# Allegro board BeagleBone_AI-64_Rev_B1_PCB_220602.brd (continued)
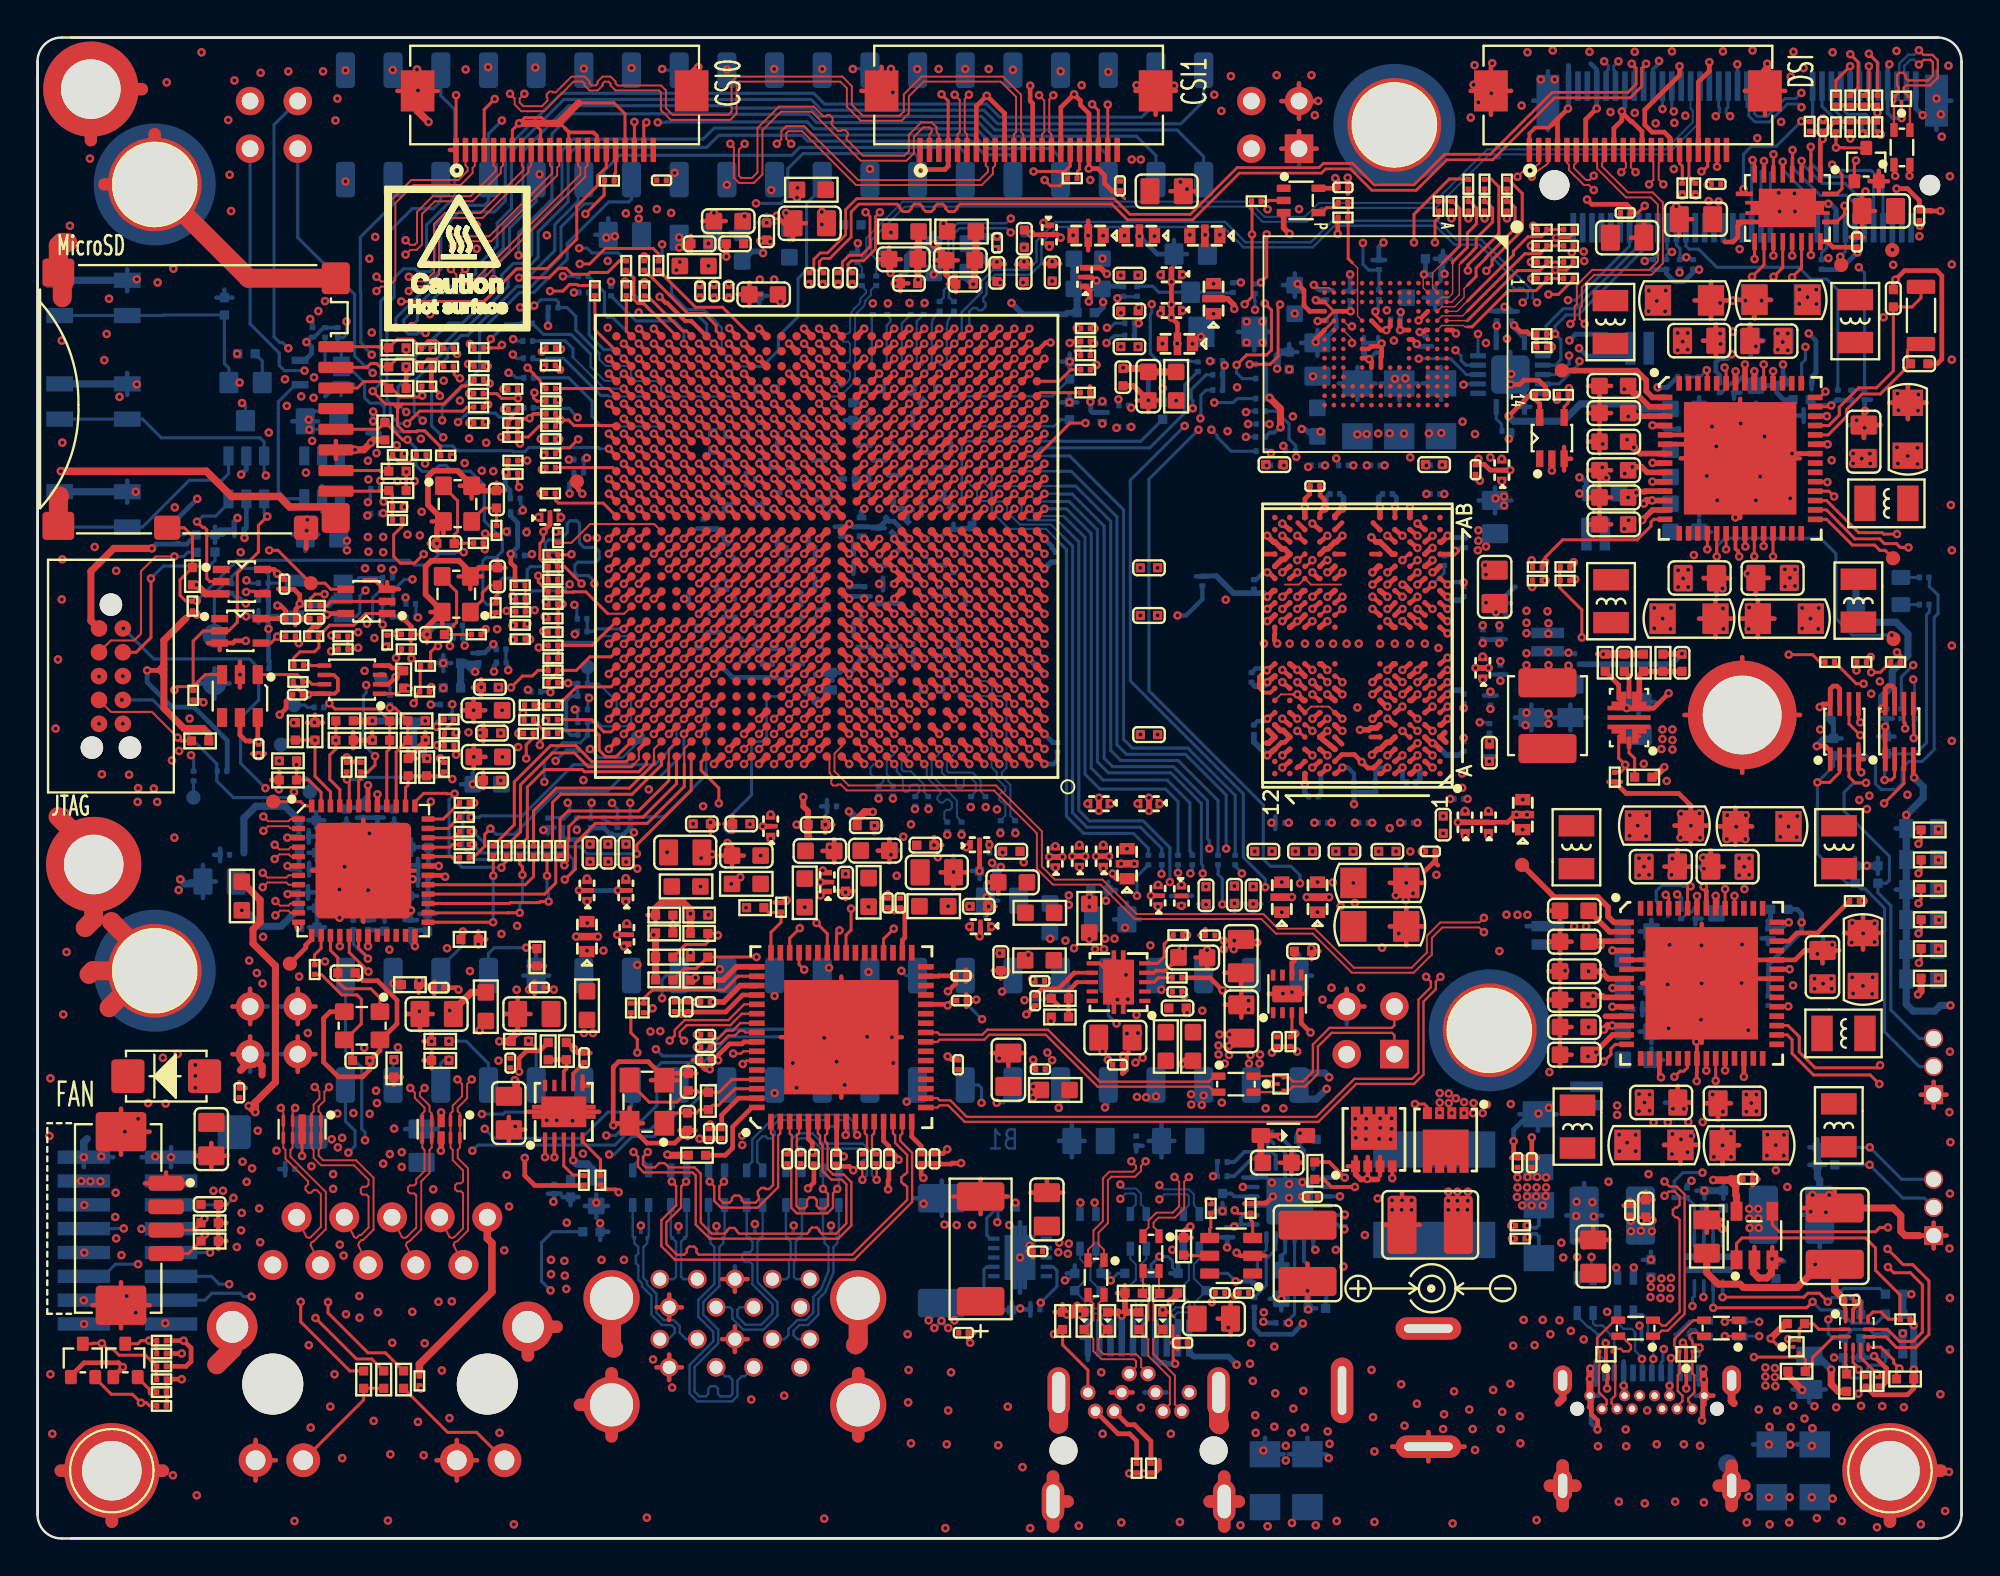
[diagram p0: board, top side]
## Routing (per net, layer and track width the routed paths; a pad name or vN(x,y) marks a point on that pad's centre or on a via; arc(x,y) is an arc through that point) (continued)
U29_EHRPWM1_B: length 4
  TOP w0.165: U19.U29 30.13,55.19 27.75,55.19 27.6,55.33 27.6,55.7 R250.1
  TOP w0.229: U19.U29 30.84,54.49
U29_FB_B4: length 2.4
  TOP w0.254: U29.50 v1(88.4,34.24)
  BOTTOM w0.165: R23.2 87.55,33.02 87.57,33 ; 87.57,33 87.95,33.39 88.11,33.39 88.3,33.58 88.32,33.58 R18.1 ; 87.57,33 87.55,33
  BOTTOM w0.254: v1(88.4,34.24) 88.4,33.66 88.32,33.58
U30_FB_B3: length 3.3
  TOP w0.305: v1(90.96,62.58) 90.96,61.58 U30.49
  BOTTOM w0.203: R15.2 89.71,61.08 90.21,61.58 R13.1 90.49,61.58 90.52,61.6
  BOTTOM w0.254: v1(90.96,62.58) 90.96,62.05 90.52,61.6
UART0_RXD: length 40.7
  TOP w0.165: v1(98.4,40.43) 98.77,40.43 98.93,40.59 U31.2
  L3-SIGNAL w0.102: v1(98.4,40.43) 98.4,39.87 97.94,39.41 97.94,33.23 98.35,32.82 98.35,27.4 97.03,26.08 97.03,20.49 v1(97.6,19.92)
  BOTTOM w0.165: J3.2 100.51,18.14 99.37,18.14 v1(97.6,19.92) D4.2 ; R397.2 100.79,49.78 100.79,49.39 100.63,49.24 100.63,42.41 100.04,41.82 R353.1 98.5,40.96 98.42,40.88 98.42,40.87 98.4,40.85 v1(98.4,40.43)
UART0_TXD: length 27.9
  TOP w0.165: U31.3 99.43,40.24 v1(98.37,39.18)
  L3-SIGNAL w0.102: v1(98.37,39.18) 98.37,38.78 98.63,38.52 98.63,27.35 97.31,26.03 97.31,21.15 v1(97.61,20.85)
  BOTTOM w0.165: J3.3 99.31,19.14 v1(97.61,20.85) D3.2
USB0_DATA_N: length 89
  TOP w0.16: v1(50.44,64.49) 50.44,64.48 U19.AJ5
  L12-SIGNAL w0.122: v1(84.1,14.44) 84.43,14.76 84.43,14.94 84.29,15.08 83.88,15.08 82.89,14.09 79.43,14.09 77.75,15.78 77.75,19.48 76.51,20.72 73.59,20.72 72.64,21.67 72.64,24.21 73.25,24.82 73.25,30.7 76.35,33.8 76.35,36.78 76.6,37.03 76.6,42.64 76.07,43.16 76.07,43.77 76.43,44.13 76.43,44.88 75.89,45.42 75.89,48.71 76.4,49.22 76.4,51.35 75.93,51.82 75.93,53.18 75.81,53.31 75.71,53.31 75.59,53.43 75.59,53.67 75.71,53.8 75.81,53.8 75.93,53.92 75.93,54.16 75.81,54.28 75.71,54.28 75.59,54.41 75.59,54.65 75.71,54.77 75.81,54.77 75.93,54.9 75.93,55.29 75.12,56.1 73.52,56.1 71.71,57.9 69.86,57.9 69.37,58.4 69.37,59.06 67.01,61.41 65.96,61.41 65.3,62.07 65.3,62.56 64.86,63.01 63.1,63.01 62.69,63.43 62.69,64.19 62.44,64.43 60.87,64.43 60.5,64.06 58.03,64.06 56.94,65.15 55.01,65.15 54.89,65.03 54.89,64.88 54.77,64.76 54.52,64.76 54.4,64.88 54.4,65.03 54.28,65.15 53.84,65.15 53.61,64.91 53.35,64.91 53.12,65.15 52.86,65.15 52.63,64.91 52.37,64.91 52.14,65.15 51.89,65.15 51.65,64.91 51.4,64.91 51.16,65.15 50.72,65.15 arc(50.63,65.13) 50.55,65.08 50.47,65 arc(50.45,64.96) 50.44,64.91 v1(50.44,64.49)
  BOTTOM w0.13: v1(84.1,14.44) 84.17,14.37 L1.1
USB0_DATA_P: length 89
  TOP w0.16: U19.AH6 49.64,63.68 v1(49.64,63.69)
  L12-SIGNAL w0.122: v1(85.04,14.44) 84.71,14.77 84.71,14.77 84.71,15.05 84.4,15.36 83.77,15.36 82.78,14.37 79.55,14.37 78.03,15.89 78.03,19.6 76.63,21 73.71,21 72.92,21.78 72.92,24.1 73.53,24.71 73.53,30.58 76.63,33.68 76.63,36.67 76.88,36.92 76.88,42.76 76.35,43.28 76.35,43.65 76.71,44.01 76.71,45 76.17,45.53 76.17,48.59 76.68,49.1 76.68,51.47 76.21,51.94 76.21,55.4 75.23,56.38 73.63,56.38 71.83,58.18 69.97,58.18 69.64,58.51 69.64,59.17 67.13,61.69 66.08,61.69 65.58,62.18 65.58,62.68 64.97,63.29 63.22,63.29 62.96,63.54 62.96,64.3 62.56,64.71 60.75,64.71 60.39,64.34 58.14,64.34 57.06,65.43 50.72,65.43 arc(50.52,65.39) 50.36,65.28 50.28,65.2 arc(50.26,65.18) 50.24,65.16 50.24,65.16 50.13,65.05 arc(50.04,64.92) 50.01,64.76 50.01,64.2 arc(49.98,64.07) 49.91,63.96 v1(49.64,63.69)
  BOTTOM w0.13: v1(85.04,14.44) 85.02,14.42 L1.4
USB0_ID: length 124.8
  TOP w0.165: U34.4 92.42,16.72 92.79,16.35 97.91,16.35 98.14,16.58 v1(98.58,16.58)
  TOP w0.229: v1(49.64,59.69) 49.64,59.68 U19.AC6
  L10-SIGNAL w0.102: v1(98.58,16.58) 98.58,18.86 99.21,19.5 99.21,27.47 99.76,28.02 99.76,37.37 100.99,38.6 100.99,42.31 99.44,43.86 99.44,47.02 99.48,47.06 99.48,47.48 99.21,47.74 98.37,47.74 97.33,48.78 97.33,54.98 98.52,56.18 98.52,61.64 98.94,62.06 98.94,65.34 98.12,66.16 98.12,67.63 97.61,68.14 96.82,68.14 96.05,68.91 91.6,68.91 90.8,68.11 90.02,68.11 88.73,66.82 87.17,66.82 86.94,67.05 84.63,67.05 82.93,65.35 80.73,65.35 79.4,64.02 78.74,64.02 78.1,64.66 78.1,65.12 76.81,66.41 69.57,66.41 68.58,67.4 63.12,67.4 62.66,67.86 59.69,67.86 58.27,69.28 58.27,69.59 57.97,69.89 55.89,69.89 55.6,69.6 55.6,69.16 54.89,68.44 53.91,68.44 53.59,68.13 53.59,66.04 52.43,64.88 51.88,64.88 51.65,64.65 51.65,64.28 51.46,64.09 51.4,64.09 51.09,64.09 50.83,63.84 50.83,63.49 50.64,63.29 50.29,63.29 50.05,63.05 50.05,60.09 v1(49.64,59.69)
USB0_RCALIB: length 6.2
  TOP w0.229: v1(49.64,58.89) 49.24,58.49 U19.AB6
  BOTTOM w0.137: 54.4,59.53 54.15,59.28 54.15,59.28 50.04,59.28 v1(49.64,58.89)
  BOTTOM w0.165: 54.4,59.53 54.5,59.63 R81.1
USB0_VBUS_SOC: length 15.7
  TOP w0.229: U19.AC7 48.44,59.29 v1(48.84,59.69)
  L5-SIGNAL w0.102: v1(48.84,59.69) 49.25,60.1 49.25,63.87 49.5,64.13 49.79,64.13 50,64.34 50,64.62 50.49,65.12 53.87,65.12 55.22,66.46 57.17,66.46 v1(57.53,66.11)
  BOTTOM w0.165: 57.86,66.19 57.61,66.19 v1(57.53,66.11) ; 57.86,66.19 57.85,66.2 R79.1 ; 57.86,66.19 58.58,66.19 R74.1
USB1_DN1_D_N: length 9.3
  TOP w0.13: U20.2 39.57,21.6 39.45,21.48 39.45,18.72 38.36,17.63 36.41,17.63 36.05,17.99 36.05,18.77 v1(35.81,19.02)
  BOTTOM w0.13: L9.1 35.75,19.08 v1(35.81,19.02)
USB1_DN1_D_P: length 9.2
  TOP w0.13: U20.1 39.07,21.6 39.19,21.48 39.19,18.84 38.98,18.63 38.79,18.63 38.74,18.68 38.55,18.68 38.37,18.5 38.37,18.32 38.43,18.26 38.43,18.08 38.25,17.9 37.64,17.9 37.51,18.03 37.51,18.15 37.38,18.28 37.12,18.28 36.99,18.15 36.99,18.03 36.86,17.9 36.52,17.9 36.32,18.1 36.32,18.77 v1(36.57,19.02)
  BOTTOM w0.13: v1(36.57,19.02) 36.6,19.05 L9.4
USB1_DN2_D_N: length 9.4
  TOP w0.13: v1(43.66,21.51) 43.57,21.6 U20.10
  BOTTOM w0.13: v1(43.66,21.51) 43.47,21.7 43.47,22.2 43.1,22.57 39.37,22.57 38.07,21.27 38.07,20.08 37.78,19.79 L8.1
USB1_DN2_D_P: length 9.4
  TOP w0.13: v1(43.05,21.51) 43.05,21.66 43.07,21.68 U20.9
  BOTTOM w0.13: v1(43.05,21.51) 43.2,21.66 43.2,22.09 42.99,22.31 42.73,22.31 42.6,22.18 42.6,22.09 42.47,21.96 42.21,21.96 42.08,22.09 42.08,22.18 41.95,22.31 39.48,22.31 39.16,21.98 39.16,21.8 39.27,21.69 39.27,21.5 39.08,21.32 38.9,21.32 38.79,21.43 38.61,21.43 38.34,21.16 38.34,20.07 38.63,19.78 L8.4
USB1_DN3_D_N: length 100.5
  TOP w0.13: v1(73.98,29.94) 74.22,29.69 74.22,29.38 73.57,28.73 73.57,24.84 73.23,24.5 70.15,24.5 68.12,22.47 49.5,22.47 48.62,23.35 48.06,23.35 47.94,23.47 U20.18 ; v1(99.72,72.63) 99.75,72.65 L26.4
  L3-SIGNAL w0.122: v1(73.98,29.94) 74.22,30.18 74.22,30.54 74.6,30.93 84.88,30.93 86.33,32.38 91.21,32.38 96.19,37.35 96.19,53.08 98.17,55.06 98.17,63.75 99.52,65.09 99.52,69.17 97.79,70.89 97.79,73.5 98.27,73.98 98.98,73.98 99.48,73.48 99.48,72.87 v1(99.72,72.63)
USB1_DN3_D_P: length 100.4
  TOP w0.13: v1(98.96,72.63) 98.9,72.7 L26.1 ; v1(74.74,29.94) 74.49,29.69 74.49,29.27 73.84,28.62 73.84,24.73 73.34,24.24 70.26,24.24 68.23,22.21 49.39,22.21 48.51,23.09 48.06,23.09 47.94,22.97 U20.17
  L3-SIGNAL w0.122: v1(98.96,72.63) 99.2,72.87 99.2,73.37 98.87,73.7 98.39,73.7 98.07,73.38 98.07,72.23 98.19,72.11 98.25,72.11 98.37,71.99 98.37,71.74 98.25,71.62 98.19,71.62 98.07,71.5 98.07,71.01 99.79,69.28 99.79,64.98 98.45,63.63 98.45,54.95 96.47,52.96 96.47,37.24 91.33,32.1 86.45,32.1 85,30.65 74.72,30.65 74.5,30.43 74.5,30.14 74.7,29.94 v1(74.74,29.94)
USB1_DN4_D_N: length 17
  TOP w0.13: U20.25 47.94,26.97 48.06,26.85 50.33,26.85 50.59,27.12 53.82,27.12 56.59,24.35 62.41,24.35 62.7,24.64 L14.1
USB1_DN4_D_P: length 17
  TOP w0.13: L14.4 62.71,23.79 62.42,24.08 56.48,24.08 53.71,26.85 50.71,26.85 50.44,26.59 48.06,26.59 47.94,26.47 U20.24
USB1_DRVVBUS: length 49.7
  TOP w0.165: R296.1 v1(37.74,33.62)
  TOP w0.229: v1(49.64,54.88) 49.64,54.88 U19.U6
  L5-SIGNAL w0.102: v1(47.96,36.31) 48.25,36.6 48.25,37.11 48.03,37.33 48.03,37.66 48.33,37.96 48.33,39.34 46.8,40.87 46.8,51.75 47.09,52.04 48.92,52.04 49.28,52.4 49.28,54.52 v1(49.64,54.88)
  L10-SIGNAL w0.102: v1(37.74,33.62) 40.32,33.62 40.72,34.02 41.02,34.02 41.42,33.62 41.73,33.62 42.21,33.14 43.51,33.14 43.79,33.42 43.79,34.08 46.02,36.31 v1(47.96,36.31)
  BOTTOM w0.137: 54.16,58.48 49.47,58.48 49.24,58.25 49.24,55.28 v1(49.64,54.88)
  BOTTOM w0.165: 59.96,59.65 R71.2 58.78,58.48 54.16,58.48
USB1_HUB_AUTOEN#: length 8.8
  TOP w0.165: U20.45 40.57,30.59 v1(40.84,30.32) ; v1(38.3,30.99) R293.1 35.08,30.37 34.45,30.37 R287.2
  L5-SIGNAL w0.102: v1(40.84,30.32) 40.17,30.99 v1(38.3,30.99)
USB1_HUB_D_N: length 164.7
  TOP w0.13: U20.54 37.52,27.97 36.91,27.36 34.58,27.36 34.21,26.99 34.21,26.76 v1(34.44,26.53)
  TOP w0.16: U19.AH7 48.84,63.68 v1(48.84,63.69)
  L3-SIGNAL w0.122: v1(88.71,22.2) 88.71,22.23 88.47,22.47 88.47,23.33 87.63,24.17 86.36,24.17 86.1,24.43 80.41,24.43 78.15,22.17 74.6,22.17 74.09,22.67 74.09,23.79 73.48,24.4 71.52,24.4 71.12,24.81 71.12,26.74 70.64,27.22 68.88,27.22 68.36,27.74 62.82,27.74 61.52,26.43 57.64,26.43 55.81,28.27 53.69,28.27 52.94,27.51 52.35,27.51 49.87,29.99 47.17,29.99 46.86,29.68 40.89,29.68 38.2,26.99 38.2,25.19 37.59,24.58 35.13,24.58 34.2,25.51 34.2,26.29 v1(34.44,26.53)
  L12-SIGNAL w0.122: v1(88.71,22.2) 88.47,22.44 88.47,23.66 87.93,24.2 87.93,31.92 84.16,35.69 84.16,44.86 85.44,46.14 85.44,52.34 86.92,53.81 86.92,59.71 85.75,60.88 85.75,61.89 85.34,62.3 81.28,62.3 79.64,63.94 79.64,65.64 v1(79.88,65.88)
  BOTTOM w0.13: v1(48.84,63.69) 49.23,64.08 49.23,65.37 50.29,66.42 50.29,67.02 50.9,67.62 52.77,67.62 53.22,68.07 53.22,69.15 54.24,70.17 63.27,70.17 64.35,69.09 67.83,69.09 68.98,70.24 74.59,70.24 75.59,69.23 76.91,69.23 79.65,66.49 79.65,66.11 v1(79.88,65.88)
USB1_HUB_D_P: length 164.7
  TOP w0.13: v1(33.68,26.53) 33.94,26.8 33.95,27.1 34.47,27.63 36.8,27.63 37.64,28.47 U20.53
  TOP w0.16: v1(49.64,64.49) 49.64,64.48 U19.AJ6
  L3-SIGNAL w0.122: v1(87.95,22.2) 87.95,22.23 88.19,22.47 88.19,23.22 87.51,23.89 86.24,23.89 85.99,24.15 80.53,24.15 78.27,21.89 74.48,21.89 73.81,22.56 73.81,23.68 73.36,24.12 71.41,24.12 70.84,24.69 70.84,26.62 70.52,26.94 68.77,26.94 68.25,27.46 62.94,27.46 61.63,26.15 57.53,26.15 55.69,27.99 53.81,27.99 53.05,27.24 52.23,27.24 49.76,29.71 47.28,29.71 46.98,29.4 41.01,29.4 38.48,26.88 38.48,25.07 37.71,24.3 35.01,24.3 33.92,25.39 33.92,26.29 v1(33.68,26.53)
  L12-SIGNAL w0.122: v1(87.95,22.2) 88.19,22.44 88.19,23.55 87.65,24.08 87.65,31.8 83.88,35.57 83.88,44.98 85.16,46.26 85.16,52.46 86.64,53.93 86.64,58.26 86.51,58.39 86.4,58.39 86.28,58.51 86.28,58.75 86.4,58.88 86.51,58.88 86.64,59 86.64,59.59 85.47,60.76 85.47,61.78 85.23,62.02 81.16,62.02 79.36,63.82 79.36,65.64 v1(79.12,65.88)
  BOTTOM w0.13: v1(79.12,65.88) 79.39,66.15 79.39,66.38 79.12,66.65 78.93,66.65 78.88,66.6 78.7,66.6 78.52,66.79 78.52,66.97 78.57,67.02 78.57,67.2 76.8,68.97 75.48,68.97 74.47,69.97 69.09,69.97 67.94,68.82 64.24,68.82 63.16,69.91 54.35,69.91 53.48,69.04 53.48,67.96 52.88,67.36 51.01,67.36 50.56,66.91 50.56,66.31 50.38,66.14 50.38,65.96 50.5,65.84 50.5,65.66 50.32,65.47 50.13,65.47 50.02,65.59 49.83,65.59 49.64,65.39 v1(49.64,64.49)
USB1_HUB_FULLPWRMGMT#: length 10.9
  TOP w0.165: v1(43.34,33.57) 43.34,32.43 43.07,32.16 U20.40
  L10-SIGNAL w0.102: v1(43.34,33.57) 42.94,33.57 42.6,33.91 41.55,33.91 41.06,34.41 37.74,34.41 36.57,33.24 v1(35.74,33.24)
USB1_HUB_GANGED: length 10.9
  TOP w0.165: v1(41.5,32.81) 42.07,32.24 U20.42 ; R310.2 34.52,31.66 35.57,31.66 35.71,31.79 R292.1 36.14,32.25 v1(36.24,32.15)
  L10-SIGNAL w0.102: v1(41.5,32.81) 41.1,33.21 37.31,33.21 v1(36.24,32.15)
USB1_HUB_PWRCTR_POL: length 12.5
  TOP w0.165: R286.2 v1(33.85,32.71) R285.1 ; U20.41 42.57,32.26 v1(42.72,32.41)
  L10-SIGNAL w0.102: v1(33.85,32.71) 33.85,32.18 34.26,31.77 36.85,31.77 38.07,32.99 40.68,32.99 41.25,32.41 v1(42.72,32.41)
USB1_HUB_R1: length 4.4
  TOP w0.254: U20.64 38.05,22.97 37.03,21.95 37.03,20.82 36.64,20.43 R290.2
USB1_HUB_TEST: length 2.9
  TOP w0.305: U20.49 37.23,30.47 36.52,29.76 R294.1
USB1_HUB_VBUS: length 3.4
  TOP w0.165: 39.61,33.37 38.95,33.37 R296.2 ; 39.61,33.37 R297.2 ; 39.61,33.37 39.61,32.85 39.07,32.31 U20.48
USB1_HUB_XI: length 5.7
  TOP w0.165: U20.62 37.15,23.97 36.27,23.09 35.97,23.09 R295.1 35.26,22.86 35.08,22.68 C350.2 33.93,22.68 X4.1
USB1_HUB_XO: length 7.9
  TOP w0.165: U20.61 37,24.47 36.31,23.78 R295.2 35.21,23.78 35.13,23.86 C351.2 34.06,23.26 32.58,23.26 31.54,24.3 X4.3
USB1_ID: length 7.3
  TOP w0.165: v1(48.84,60.49) 48.44,60.09 U19.AD7
  TOP w0.229: 48.84,60.48 v1(48.84,60.49)
  BOTTOM w0.137: v1(48.84,60.49) 49.06,60.49 49.46,60.88 54.07,60.88 R80.1
USB1_RCALIB: length 0.6
  TOP w0.229: v1(47.24,60.49) 46.84,60.09 U19.AD9
USB1_SSRX_DN1_N: length 23.4
  TOP w0.13: v1(31.75,20.6) 31.99,20.36 31.99,19.82 32.3,19.51 34.89,19.51 35.06,19.34 35.06,16.73 35.81,15.98 42.65,15.98 43.36,16.68 43.36,18.99 42.95,19.4 42.39,19.4 42.09,19.7 42.09,21.05 41.95,21.18 41.95,21.48 42.07,21.6 U20.7
  BOTTOM w0.13: L11.1 31.71,19.86 32,20.15 32,20.35 v1(31.75,20.6)
USB1_SSRX_DN1_P: length 23.3
  TOP w0.13: U20.6 41.57,21.6 41.69,21.48 41.69,21.07 41.82,20.93 41.82,19.59 42.28,19.13 42.84,19.13 43.09,18.88 43.09,16.79 42.54,16.25 41.77,16.25 41.64,16.38 41.64,16.45 41.51,16.58 41.25,16.58 41.13,16.45 41.13,16.38 41,16.25 37.38,16.25 37.25,16.38 37.25,16.42 37.12,16.55 36.86,16.55 36.73,16.42 36.73,16.38 36.6,16.25 35.92,16.25 35.33,16.84 35.33,19.45 35,19.78 33.63,19.78 33.41,20.01 33.12,20.01 32.89,19.78 32.41,19.78 32.26,19.93 32.26,20.34 v1(32.51,20.6)
  BOTTOM w0.13: L11.4 32.56,19.86 32.26,20.15 32.26,20.35 v1(32.51,20.6)
USB1_SSRX_DN2_N: length 24
  TOP w0.13: U20.15 46.07,21.6 45.95,21.48 45.95,21.19 46.59,20.55 46.59,17.94 43.52,14.86 33.95,14.86 33.23,15.58 33.23,16.97 34.02,17.75 34.02,18.79 v1(33.79,19.02)
  BOTTOM w0.13: L10.1 33.73,19.08 v1(33.79,19.02)
USB1_SSRX_DN2_P: length 24
  TOP w0.13: v1(34.55,19.02) 34.29,18.76 34.29,17.64 33.5,16.86 33.5,15.69 34.06,15.13 34.46,15.13 34.59,15.26 34.59,15.43 34.72,15.56 34.97,15.56 35.1,15.43 35.1,15.26 35.23,15.13 43.41,15.13 46.33,18.05 46.33,18.74 46.2,18.87 46.15,18.87 46.02,18.99 46.02,19.25 46.15,19.38 46.2,19.38 46.33,19.51 46.33,20.44 45.69,21.08 45.69,21.48 45.57,21.6 U20.14
  BOTTOM w0.13: L10.4 34.58,19.05 v1(34.55,19.02)
USB1_SSTX_DN1_N: length 7
  TOP w0.13: C534.2 40.65,19.96 40.43,19.73 40.43,17.73 40.56,17.59 40.86,17.59 40.99,17.72 40.99,18.05 41.12,18.18 41.38,18.18 41.51,18.05 41.51,17.72 41.64,17.59 41.96,17.59 42.11,17.75 42.11,18.37 v1(41.84,18.63)
  BOTTOM w0.13: v1(41.84,18.63) L6.1
USB1_SSTX_DN1_P: length 7
  TOP w0.13: C533.2 39.94,19.96 40.16,19.74 40.16,17.62 40.45,17.33 42.07,17.33 42.38,17.64 42.38,18.41 v1(42.6,18.63)
  BOTTOM w0.13: v1(42.6,18.63) 42.69,18.72 L6.4
USB1_SSTX_DN2_N: length 9
  TOP w0.13: C536.2 44.66,19.96 44.7,19.92 v1(44.7,19.12)
  BOTTOM w0.13: L7.1 39.87,19.8 40.16,20.09 40.16,21.25 40.5,21.59 41.29,21.59 41.83,21.05 43.96,21.05 44.45,20.56 44.45,19.37 v1(44.7,19.12)
USB1_SSTX_DN2_P: length 9
  TOP w0.13: C535.2 43.95,19.96 43.94,19.94 v1(43.94,19.12)
  BOTTOM w0.13: v1(43.94,19.12) 44.18,19.36 44.18,19.67 44.05,19.8 43.99,19.8 43.89,19.9 43.89,20.09 43.99,20.18 44.12,20.18 44.18,20.25 44.18,20.45 44.18,20.45 43.85,20.78 41.72,20.78 41.18,21.33 40.61,21.33 40.43,21.14 40.43,20.94 40.52,20.84 40.67,20.84 40.79,20.73 40.79,20.53 40.7,20.44 40.51,20.44 40.43,20.36 40.43,20.14 40.72,19.85 L7.4
USB1_VBUS_SOC: length 16.3
  TOP w0.229: v1(48.04,60.49) 48.04,60.48 U19.AD8
  L12-SIGNAL w0.102: v1(48.04,60.49) 48.44,60.89 49.8,60.89 50.05,61.14 50.05,61.45 50.28,61.68 53.3,61.68 54.35,60.62 54.35,60.37 54.63,60.09 57.73,60.09 57.96,59.86 59.41,59.86 59.94,60.39 v1(59.94,61.31)
  BOTTOM w0.165: R70.1 59.94,61.64
  BOTTOM w0.254: 59.94,61.64 v1(59.94,61.31)
  BOTTOM w0.305: R71.1 v1(59.94,61.31)
USBA_SS_RX_N: length 166.1
  TOP w0.13: v1(35.13,26.19) 35.3,26.19
  TOP w0.188: v1(44.84,63.69) 44.44,63.29 U19.AH12
  L3-SIGNAL w0.122: v1(35.13,26.19) 35.34,26.41 36.18,26.41 40.6,30.83 45.12,30.83 45.68,31.39 50.12,31.39 51.09,30.42 53.02,30.42 54.29,29.15 58.25,29.15 58.86,29.76 72.61,29.76 74.48,31.64 77.51,31.64 77.56,31.69 82.43,31.69 82.74,31.99 83.3,31.99 84.73,33.42 91.04,33.42 95.63,38.02 95.63,52.87 94.38,54.12 94.38,61.81 97.74,65.17 97.74,68.98 97,69.71 97,71.34 95.82,72.52 91.7,72.52 90.12,74.11 77.9,74.11 75.11,71.31 67.84,71.31 67.41,71.75 63.17,71.75 61.87,73.04 57.78,73.04 57.15,73.67 49.51,73.67 46.07,70.24 46.07,66.86 45.63,65.48 45.6,65.16 45.36,64.93 45.36,64.92 45.27,64.67 45.27,64.26 arc(45.24,64.13) 45.17,64.01 v1(44.84,63.69)
USBA_SS_RX_P: length 166.1
  TOP w0.13: v1(35.13,26.85) 35.3,26.85
  TOP w0.188: v1(45.64,64.49) 45.64,64.48 U19.AJ11
  L3-SIGNAL w0.122: v1(45.64,64.49) 45.64,64.76 arc(45.65,64.8) 45.67,64.84 45.87,65.04 45.9,65.43 46.35,66.81 46.35,67.33 46.48,67.46 46.56,67.46 46.68,67.58 46.68,67.82 46.56,67.95 46.48,67.95 46.35,68.07 46.35,68.31 46.48,68.44 46.56,68.44 46.68,68.56 46.68,68.8 46.56,68.93 46.48,68.93 46.35,69.05 46.35,70.12 49.63,73.4 57.03,73.4 57.67,72.76 61.76,72.76 63.05,71.47 67.29,71.47 67.73,71.04 75.22,71.04 78.02,73.83 78.62,73.83 78.75,73.71 78.75,73.65 78.87,73.52 79.11,73.52 79.24,73.65 79.24,73.71 79.36,73.83 79.6,73.83 79.72,73.71 79.72,73.65 79.85,73.52 80.09,73.52 80.21,73.65 80.21,73.71 80.34,73.83 90,73.83 91.59,72.24 95.7,72.24 96.72,71.22 96.72,69.6 97.46,68.86 97.46,66.72 97.34,66.6 97.22,66.6 97.1,66.48 97.1,66.23 97.22,66.11 97.34,66.11 97.46,65.99 97.46,65.28 94.1,61.93 94.1,54 95.35,52.76 95.35,38.13 95.17,37.95 95,37.95 94.97,37.97 94.8,37.97 94.63,37.8 94.63,37.63 94.65,37.6 94.65,37.43 90.92,33.7 84.61,33.7 83.18,32.27 82.62,32.27 82.32,31.97 77.44,31.97 77.39,31.92 74.37,31.92 72.49,30.04 58.75,30.04 58.14,29.43 57.35,29.43 57.17,29.61 56.86,29.61 56.68,29.43 56.37,29.43 56.19,29.61 55.88,29.61 55.7,29.43 54.4,29.43 53.13,30.7 51.2,30.7 50.24,31.67 45.57,31.67 45.01,31.11 40.49,31.11 36.07,26.69 35.29,26.69 v1(35.13,26.85)
USBA_SS_TX_N: length 144.5
  TOP w0.13: v1(37.56,25.29) 37.74,25.47 U20.59
  L5-SIGNAL w0.122: v1(86.85,22.18) 86.61,21.94 86.61,21.14 85.2,19.73 81.62,19.73 80.86,20.49 69.94,20.49 65.82,24.6 52.79,24.6 51.24,26.15 46.14,26.15 45.86,25.87 37.87,25.87 37.56,25.56 v1(37.56,25.29)
  L12-SIGNAL w0.122: v1(44.5,65.83) 44.66,65.99 arc(44.72,66.09) 44.74,66.2 44.74,66.29 arc(44.73,66.39) 44.73,66.48 44.73,67.29 arc(44.91,68.21) 45.43,68.98 48.19,71.75 59.79,71.75 61.34,70.2 67.51,70.2 69.31,68.39 74.93,68.39 75.69,67.63 75.69,66.51 76.25,65.96 76.25,63.72 76.68,63.29 78.69,63.29 80.52,61.46 80.52,60.52 80.95,60.09 82.41,60.09 83.03,59.47 83.03,58.84 82.8,58.61 82.8,53.94 84.2,52.54 84.2,46.5 83.13,45.43 83.13,34.21 85.77,31.56 85.77,24.75 86.61,23.91 86.61,22.42 v1(86.85,22.18)
USBA_SS_TX_P: length 144.5
  TOP w0.13: U20.58 37.59,25.97 37.47,25.85 v1(37.06,25.85)
  L5-SIGNAL w0.122: v1(37.06,25.85) 37.39,25.83 37.75,26.15 45.74,26.15 46.02,26.43 51.36,26.43 52.91,24.88 65.94,24.88 70.05,20.77 80.97,20.77 81.74,20.01 83.11,20.01 83.23,20.13 83.23,20.16 83.35,20.29 83.6,20.29 83.72,20.16 83.72,20.13 83.84,20.01 85.09,20.01 86.33,21.25 86.33,21.94 v1(86.09,22.18)
  L12-SIGNAL w0.122: v1(86.09,22.18) 86.33,22.42 86.33,23.79 85.49,24.63 85.49,31.45 82.85,34.09 82.85,45.55 83.92,46.62 83.92,52.43 82.52,53.83 82.52,58.73 82.75,58.96 82.75,59.36 82.3,59.81 80.83,59.81 80.24,60.4 80.24,61.34 78.57,63.01 76.56,63.01 75.97,63.6 75.97,65.84 75.41,66.4 75.41,67.52 74.81,68.11 69.2,68.11 67.4,69.92 61.22,69.92 59.67,71.47 50.47,71.47 50.24,71.24 49.98,71.24 49.75,71.47 49.49,71.47 49.26,71.24 49,71.24 48.77,71.47 48.31,71.47 45.63,68.79 arc(45.17,68.1) 45.01,67.29 45.01,66.48 arc(45.07,66.16) 45.26,65.88 v1(45.3,65.83)
USBC_CC1: length 12.8
  TOP w0.165: v1(93.27,10.63) 93.35,10.55 D47.3 93.85,11.16 R25.1 94.6,11.45 94.89,11.15 U21.1
  L3-SIGNAL w0.102: v1(93.27,10.63) 92.71,10.08 89.05,10.08 88.24,10.89 87.42,10.89 v1(86.64,10.1)
  BOTTOM w0.165: 86.5,8.77 J5.A5 86.5,9.38 86.59,9.47 86.59,10 86.64,10.05 v1(86.64,10.1)
USBC_CC2: length 17.8
  TOP w0.165: v1(91.44,9.67) 93.67,9.67 93.85,9.85 D47.2 94.17,9.55 R30.1 94.56,9.29 94.56,9.63 95.68,10.75 U21.2
  L3-SIGNAL w0.102: J5.B5 85.95,5.91 89.36,5.91 90.04,6.6 90.04,7.18 89.2,8.02 89.2,9.19 89.69,9.67 v1(91.44,9.67)
USBC_DATA_CONN_N: length 8.8
  L3-SIGNAL w0.122: J5.B7 85.89,7.87 85.89,8.19 85.8,8.27 85.8,8.44 86,8.63 86,8.81 85.83,8.98 85.65,8.98 85.46,8.79 85.28,8.79 84.88,9.19 84.88,9.73 85.15,10 85.51,10 85.63,9.88 85.63,9.73 v1(85.47,9.57)
  BOTTOM w0.13: L1.2 84.17,11.5 84.49,11.18 84.93,11.18 85.1,11.01 D46.2 85.1,10.01 85.47,9.64 v1(85.47,9.57) 85.5,9.54 J5.A7 85.5,8.77
USBC_DATA_CONN_P: length 8.8
  L3-SIGNAL w0.122: v1(86.08,9.57) 85.91,9.73 85.91,9.99 85.63,10.28 85.04,10.28 84.61,9.85 84.61,9.07 85.61,8.07 85.61,7.87 J5.B6
  BOTTOM w0.13: 86,8.77 J5.A6 86,9.48 v1(86.08,9.57) 86.08,10.57 D46.3 85.78,11.67 85.5,11.95 85.11,11.95 L1.3
USBC_SS_RX1_CONN_N: length 6.1
  TOP w0.13: J5.B10 87.35,7.04 87.63,7.32 87.63,7.61 87.37,7.87 87.37,8.7 87.48,8.8 D44.3 87.2,10.25 87.2,10.62 88.21,11.64 L27.3
USBC_SS_RX1_CONN_P: length 6.1
  TOP w0.13: J5.B11 88.15,7.09 87.94,7.3 87.94,7.46 88.26,7.79 88.26,8.7 88.16,8.8 D44.2 88.59,9.97 88.69,10.07 88.69,10.26 88.62,10.33 88.24,10.33 88.16,10.41 88.16,10.51 88.02,10.65 88.02,10.83 88.15,10.96 88.39,10.96 88.57,10.79 L27.2
USBC_SS_RX1_N: length 129.6
  TOP w0.13: L27.4 90.06,11.64 89.97,11.55 v1(89.89,11.55)
  TOP w0.188: U19.AH10 46.04,63.29 v1(46.44,63.69)
  L3-SIGNAL w0.122: v1(75.89,40.01) 76.13,40.25 78.4,40.25 78.89,40.74 78.89,50.04 79.17,50.32 79.17,59.31 80.08,60.23 80.08,64.06 81.32,65.29 82.5,65.29 83.06,65.85 83.06,68.92 81.93,70.04 80.35,70.04 79.87,69.56 75.33,69.56 74.52,70.37 61.19,70.37 59.89,71.67 51.29,71.67 48.74,69.12 48.74,66.43 47.74,65.42 47.32,65.42 46.86,64.96 46.86,64.11 v1(46.44,63.69)
  L12-SIGNAL w0.122: v1(75.89,40.01) 75.65,40.25 74.98,40.25 74.39,39.67 74.39,36.92 75.31,36.01 75.31,34.04 72.06,30.79 72.06,30.5 71.83,30.27 71.54,30.27 71.24,29.97 71.24,24.91 71.07,24.73 71.07,24.56 71.12,24.5 71.12,24.33 70.95,24.16 70.78,24.16 70.72,24.21 70.55,24.21 70.37,24.04 70.37,23.87 70.43,23.81 70.43,23.64 70.26,23.46 70.08,23.46 70.03,23.52 69.86,23.52 69.57,23.23 69.57,20.87 70.48,19.96 75.94,19.96 77.06,18.84 77.06,15.21 78.86,13.4 84.45,13.4 86.56,11.29 89.63,11.29 v1(89.89,11.55)
USBC_SS_RX1_P: length 129.5
  TOP w0.13: v1(89.89,10.79) L27.1
  TOP w0.188: U19.AJ9 47.24,64.48 v1(47.24,64.49)
  L3-SIGNAL w0.122: v1(75.89,40.77) 76.13,40.53 78.28,40.53 78.61,40.86 78.61,41.16 78.46,41.32 78.46,41.57 78.61,41.72 78.61,42.38 78.46,42.54 78.46,42.79 78.61,42.94 78.61,50.16 78.89,50.44 78.89,59.43 79.8,60.34 79.8,62.08 79.68,62.21 79.52,62.21 79.4,62.33 79.4,62.57 79.52,62.7 79.68,62.7 79.8,62.82 79.8,64.18 81.2,65.57 82.39,65.57 82.78,65.97 82.78,66.57 82.65,66.69 82.37,66.69 82.24,66.82 82.24,67.06 82.37,67.18 82.65,67.18 82.78,67.31 82.78,68.8 81.81,69.77 80.47,69.77 79.98,69.28 75.22,69.28 74.41,70.1 61.07,70.1 59.78,71.39 51.41,71.39 49.02,69 49.02,68.67 49.17,68.52 49.17,68.27 49.02,68.11 49.02,67.5 49.17,67.35 49.17,67.1 49.02,66.95 49.02,66.31 48.76,66.05 48.76,65.88 48.88,65.76 48.88,65.58 48.7,65.41 48.53,65.41 48.41,65.53 48.24,65.53 47.85,65.14 47.43,65.14 47.24,64.95 v1(47.24,64.49)
  L12-SIGNAL w0.122: v1(75.89,40.77) 75.65,40.53 74.86,40.53 74.12,39.78 74.12,36.81 75.03,35.89 75.03,34.15 70.97,30.09 70.97,25.02 69.29,23.35 69.29,20.75 70.37,19.68 75.83,19.68 76.78,18.72 76.78,15.09 78.75,13.12 84.34,13.12 86.45,11.01 89.66,11.01 v1(89.89,10.79)
USBC_SS_RX2_CONN_N: length 3.9
  BOTTOM w0.13: L30.3 82.87,11.47 82.99,11.35 83.39,11.35 83.58,11.15 83.58,11.09 D5.3 84,10.67 J5.A10 84,8.77
USBC_SS_RX2_CONN_P: length 3.9
  BOTTOM w0.13: L30.2 82.02,11.85 82.6,11.27 82.67,11.27 82.88,11.07 82.92,11.07 D5.2 83.13,9.85 83.5,9.48 J5.A11 83.5,8.77
USBC_SS_RX2_N: length 83.8
  TOP w0.16: U19.AH9 47.24,63.68 v1(47.24,63.69)
  TOP w0.165: v1(47.24,63.69) 46.84,63.29 U19.AH9
  L12-SIGNAL w0.122: v1(82.78,15) 82.52,15.26 82.52,15.84 81.2,17.16 81.2,29.33 77.85,32.68 77.85,36.38 78.15,36.68 78.15,39.62 78.59,40.05 78.59,49.54 77.93,50.21 77.93,53.64 77.26,54.3 77.26,55.69 77.52,55.95 77.52,56.63 77.09,57.07 76.3,57.07 75.08,58.28 73.99,58.28 73.66,58.61 73.66,59.53 72.74,60.44 70.43,60.44 66.39,64.48 64.25,64.48 63.37,65.36 63.37,65.64 62.51,66.5 58.49,66.5 58.08,66.92 57.24,66.92 56.98,66.67 55.81,66.67 55.71,66.57 50.3,66.57 49.54,65.8 48.62,65.42 48.23,65.42 47.75,64.94 arc(47.65,64.79) 47.61,64.61 47.61,64.19 arc(47.59,64.07) 47.52,63.96 v1(47.24,63.69)
  BOTTOM w0.13: L30.4 82.87,14.55 82.78,14.64 v1(82.78,15)
USBC_SS_RX2_P: length 83.8
  TOP w0.16: v1(48.04,64.49) 48.04,64.48 U19.AJ8
  TOP w0.165: v1(48.04,64.49) 47.64,64.09 U19.AJ8
  L12-SIGNAL w0.122: v1(82.02,15) 82.24,15.22 82.24,15.73 80.92,17.05 80.92,19.89 80.8,20.01 80.61,20.01 80.49,20.13 80.49,20.38 80.61,20.5 80.8,20.5 80.92,20.62 80.92,29.21 77.57,32.57 77.57,36.49 77.87,36.8 77.87,39.73 78.31,40.17 78.31,43.56 78.19,43.69 78.1,43.69 77.98,43.81 77.98,44.05 78.1,44.18 78.19,44.18 78.31,44.3 78.31,44.54 78.19,44.67 78.1,44.67 77.98,44.79 77.98,45.03 78.1,45.16 78.19,45.16 78.31,45.28 78.31,49.43 77.65,50.09 77.65,53.52 76.99,54.18 76.99,55.81 77.24,56.06 77.24,56.52 76.97,56.79 76.18,56.79 74.96,58 73.87,58 73.38,58.5 73.38,59.41 72.63,60.16 70.32,60.16 66.28,64.2 64.13,64.2 63.09,65.24 63.09,65.52 62.39,66.22 62.14,66.22 62.01,66.1 62.01,65.98 61.89,65.85 61.65,65.85 61.52,65.98 61.52,66.1 61.4,66.22 58.38,66.22 57.96,66.64 57.35,66.64 57.1,66.39 55.93,66.39 55.83,66.29 51.47,66.29 51.29,66.11 50.98,66.11 50.8,66.29 50.42,66.29 49.7,65.57 48.68,65.14 48.35,65.14 48.11,64.91 arc(48.06,64.83) 48.04,64.73 v1(48.04,64.49)